# Altium PCB BB.PcbDoc (part 3 of 9) (continued)
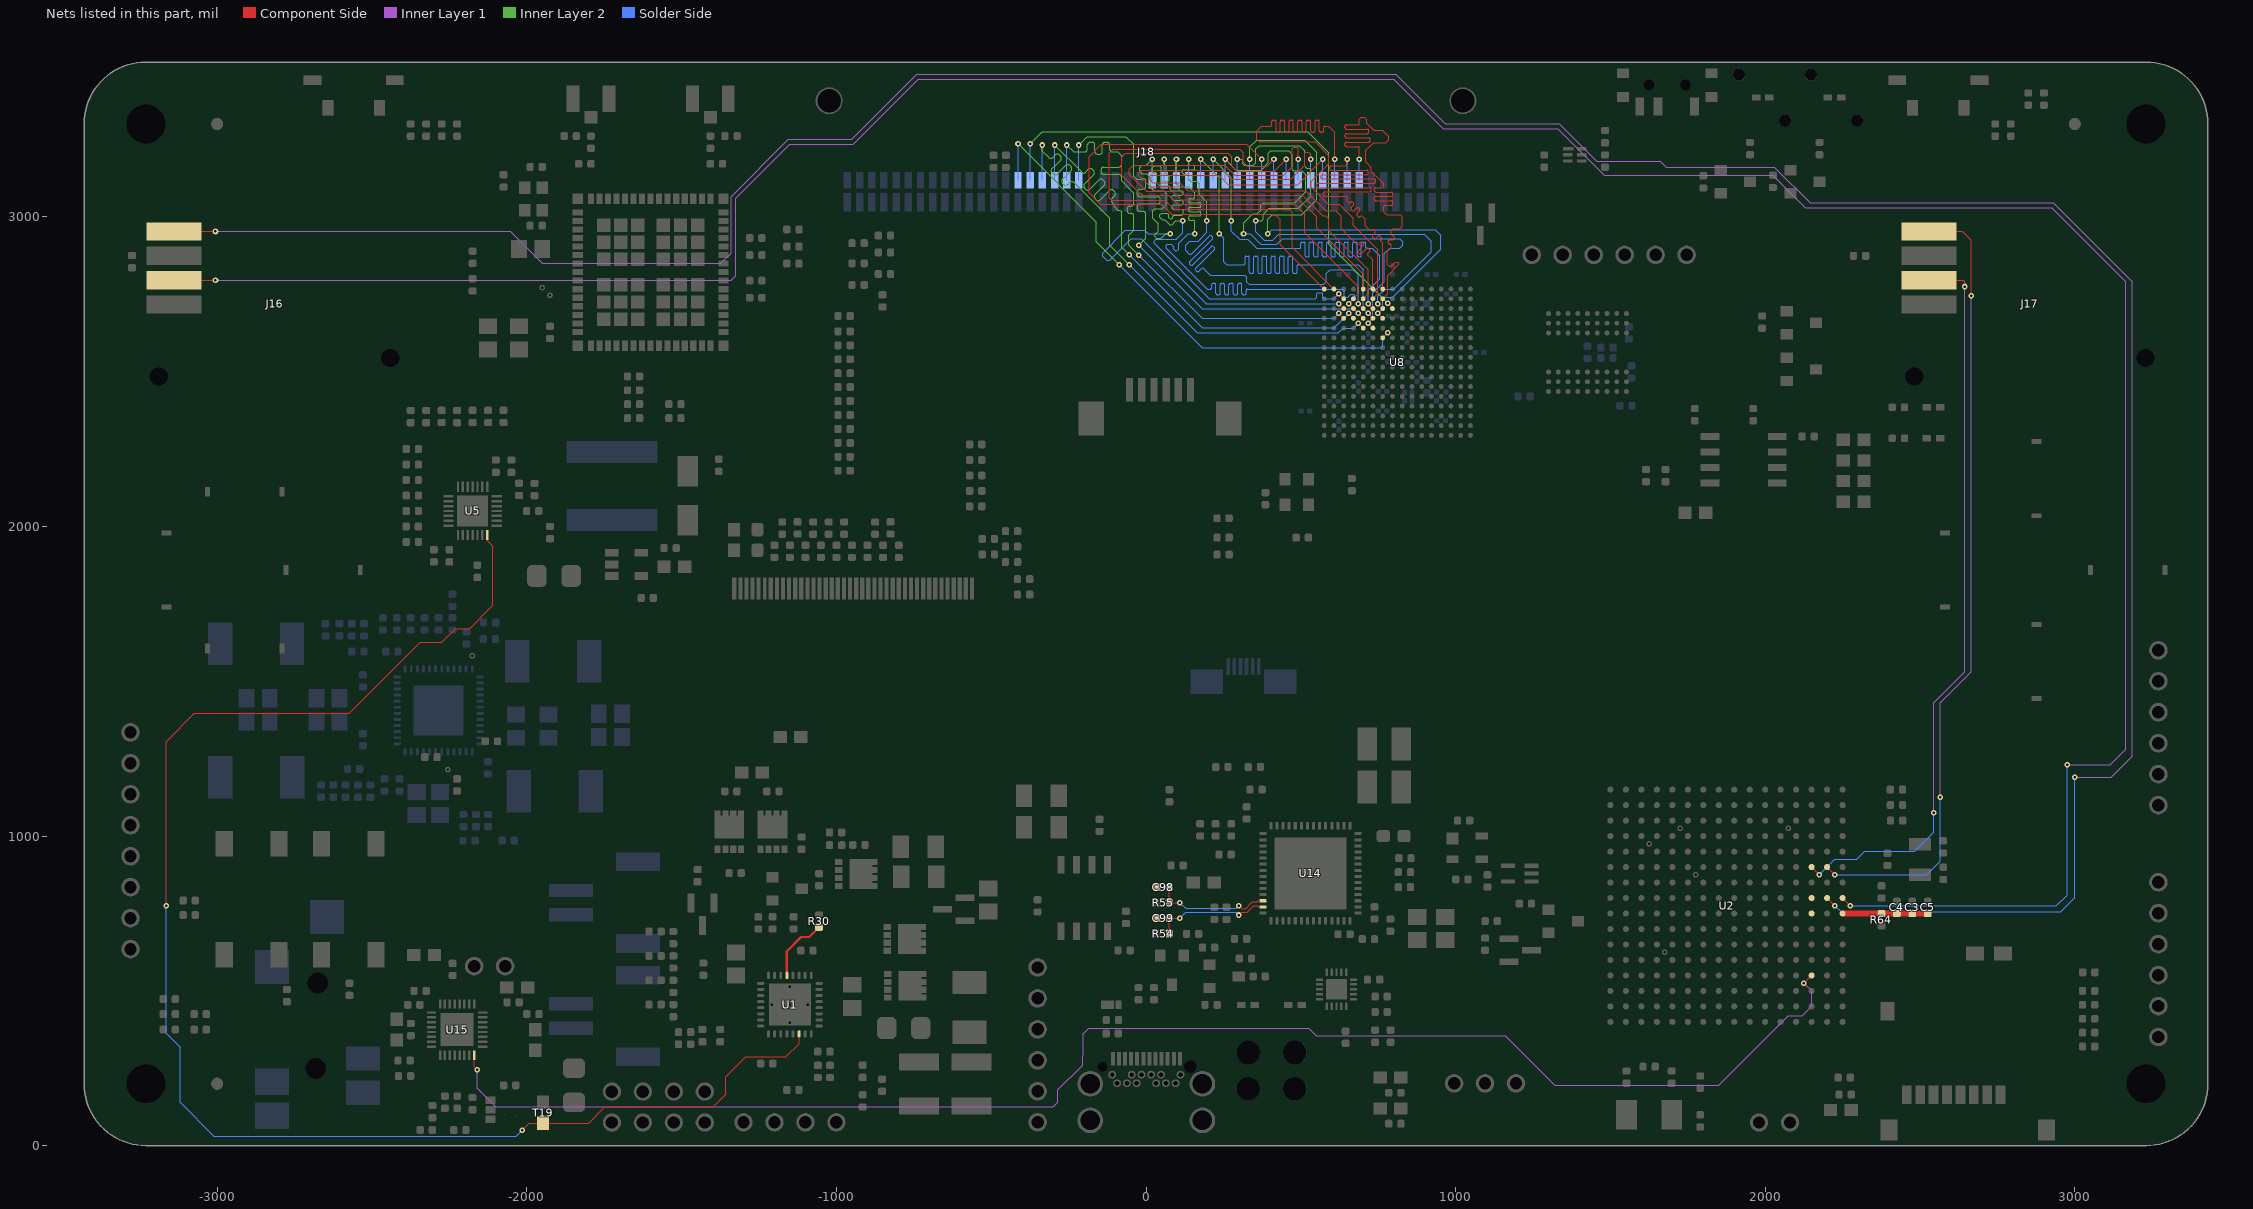
[diagram p7: the nets of this part, all layers, seen from the top]
## Part data (continued)
R140: "RES SMD 6.49K OHM 1% 1/16W 0402", Case=0402, Manufacturer="Samsung Electro-Mechanics America, Inc.", Manufacturer Part Number=RC1005F6491CS, Operating Temperature="-55°C ~ 155°C", Package / Case="0402 (1005 Metric)", Power (Watts)=1/16W, Resistance (Ohms)=6.49k, Supplier Part Number 1=1276-4096-1-ND, Temperature Coefficient=±100ppm/°C, Tolerance=±1%, Category=Resistors, ComponentLink1Description=http://media.digikey.com/pdf/Data%20Sheets/Samsung%20PDFs/RC_Series_ds.pdf, ComponentLink1URL=http://media.digikey.com/pdf/Data%20Sheets/Samsung%20PDFs/RC_Series_ds.pdf, Composition="Thick Film", Features=-, Height="0.016\" (0.40mm)", Number of Terminations=2, Packaging="Cut Tape (CT)", Pricing 1="1=0.1, 10=0.013, 25=0.0096, 50=0.0074, 100=0.0054, 250=0.00412, 500=0.00328, 1000=0.00242, 2500=0.0021 (USD)", Resistance In Ohms=6.49k, RoHS="RoHS Compliant", Size / Dimension="0.039\" L x 0.020\" W (1.00mm x 0.50mm)", Stock 1=45311, Supplier 1=Digi-Key, Supplier Device Package="0402 (1005 Metric)"
R165: "RES SMD 118K OHM 1% 1/16W 0402", Case=0402, Manufacturer="Stackpole Electronics Inc", Manufacturer Part Number=RMCF0402FT118K, Operating Temperature="-55°C ~ 155°C", Package / Case="0402 (1005 Metric)", Power (Watts)=1/16W, Resistance (Ohms)=118k, Resistance In Ohms=118K, Supplier Part Number 1=RMCF0402FT118KCT-ND, Temperature Coefficient=±100ppm/°C, Tolerance=±1%, Category=Resistors, ComponentLink1Description=http://www.seielect.com/Catalog/SEI-RMCF_RMCP.pdf, ComponentLink1URL=http://www.seielect.com/Catalog/SEI-RMCF_RMCP.pdf, Composition="Thick Film", Features="Automotive AEC-Q200", Height="0.016\" (0.40mm)", Number of Terminations=2, Packaging="Cut Tape (CT)", Pricing 1="1=0.1, 10=0.025, 50=0.0138, 100=0.0105, 250=0.0078, 500=0.00576, 1000=0.00384, 2500=0.00324, 5000=0.0027 (USD)", RoHS="RoHS Compliant", Size / Dimension="0.039\" L x 0.020\" W (1.00mm x 0.50mm)", Stock 1=43108, Supplier 1=Digi-Key, Supplier Device Package=0402
R166 R184 R188 R192: "RES 22.0K OHM 1/10W 1% 0402 SMD", Case=0402, Manufacturer="Vishay Dale", Manufacturer Part Number=CRCW040222K0FKED, Package / Case="0402 (1005 Metric)", Power (Watts)=1/10W, Resistance (Ohms)=22k, Resistance In Ohms=22.0K, Supplier Part Number 1=541-22.0KLCT-ND, Temperature Coefficient=±100ppm/°C, Tolerance=±1%, Category=Resistors, ComponentLink1Description=http://www.vishay.com/doc?20035, ComponentLink1URL=http://www.vishay.com/doc?20035, Composition="Thick Film", Features=-, Height="0.016\" (0.40mm)", Number of Terminations=2, Packaging="Cut Tape (CT)", Pricing="10=0.083, 50=0.0444, 200=0.0255, 1000=0.0174 (USD)", RoHS="RoHS Compliant", Size / Dimension="0.039\" L x 0.020\" W (1.00mm x 0.50mm)", Stock 1=15892, Supplier 1=Digi-Key
R171: "RES 69.8K OHM 1/16W 1% 0402 SMD", Case=0402, Manufacturer=Yageo, Manufacturer Part Number=RC0402FR-0769K8L, Operating Temperature="-55°C ~ 155°C", Package / Case="0402 (1005 Metric)", Power (Watts)=1/16W, Resistance In Ohms=69.8K, Supplier Part Number 1=YAG3216CT-ND, Temperature Coefficient=±100ppm/°C, Tolerance=±1%, Category=Resistors, ComponentLink1Description=http://www.yageo.com/documents/recent/PYu-RC_Group_51_RoHS_L_7.pdf, ComponentLink1URL=http://www.yageo.com/documents/recent/PYu-RC_Group_51_RoHS_L_7.pdf, Composition="Thick Film", Failure Rate=-, Features="Moisture Resistant", Height - Seated (Max)="0.016\" (0.40mm)", Packaging="Cut Tape (CT)", Part Status=Active, Pricing 1="1=0.1, 10=0.014, 100=0.0055, 1000=0.00247, 2500=0.00214, 5000=0.00177 (USD)", RoHS="RoHS Compliant", Size / Dimension="0.039\" L x 0.020\" W (1.00mm x 0.50mm)", Stock 1=160383, Supplier 1=Digi-Key, Supplier Device Package=0402
R186 R190: "RES SMD 10.2K OHM 1% 1/16W 0402", Case=0402, Manufacturer="Stackpole Electronics Inc.", Manufacturer Part Number=RMCF0402FT10K2, Operating Temperature="-55°C ~ 155°C", Package / Case="0402 (1005 Metric)", Power (Watts)=1/16W, Resistance (Ohms)=10.2k, Supplier Part Number 1=RMCF0402FT10K2CT-ND, Temperature Coefficient=±100ppm/°C, Tolerance=±1%, Category=Resistors, ComponentLink1Description=http://www.seielect.com/Catalog/SEI-RMCF_RMCP.pdf, ComponentLink1URL=http://www.seielect.com/Catalog/SEI-RMCF_RMCP.pdf, Composition="Thick Film", Features="Automotive AEC-Q200", Height="0.016\" (0.40mm)", Number of Terminations=2, Packaging="Cut Tape (CT)", Pricing 1="1=0.1, 10=0.019, 50=0.0106, 100=0.0078, 250=0.00596, 500=0.00476, 1000=0.0035, 2500=0.00304, 5000=0.00251 (USD)", Resistance In Ohms=10.2k, RoHS="RoHS Compliant", Size / Dimension="0.039\" L x 0.020\" W (1.00mm x 0.50mm)", Stock 1=69477, Supplier 1=Digi-Key, Supplier Device Package=0402
R187 R191: "RES 36.0K OHM 1/10W 1% 0402 SMD", Case=0402, Manufacturer="Panasonic - ECG", Manufacturer Part Number=ERJ-2RKF3602X, Package / Case="0402 (1005 Metric)", Power (Watts)=1/16W, Resistance (Ohms)=36K, Supplier Part Number 1=P36.0KLCT-ND, Temperature Coefficient=±100ppm/°C, Tolerance=±1%, Category=Resistors, ComponentLink1Description=http://industrial.panasonic.com/www-cgi/jvcr13pz.cgi?E+PZ+3+AOA0002+ERJ2RKF3602X+7+WW, ComponentLink1URL=http://industrial.panasonic.com/www-cgi/jvcr13pz.cgi?E+PZ+3+AOA0002+ERJ2RKF3602X+7+WW, Composition="Thick Film", Features=-, Height="0.016\" (0.40mm)", Number of Terminations=2, Packaging="Cut Tape (CT)", Pricing="1=0.06, 50=0.0242, 100=0.0184, 250=0.01364, 500=0.01008, 1000=0.00672, 5000=0.00473 (USD)", Resistance In Ohms=36K, RoHS="RoHS Compliant", Size / Dimension="0.039\" L x 0.020\" W (1.00mm x 0.50mm)", Stock 1=39656, Supplier 1=Digi-Key
R194: "RES SMD 442K OHM 1% 1/16W 0402", Case=0402, Manufacturer=Yageo, Manufacturer Part Number=RC0402FR-07442KL, Operating Temperature="-55°C ~ 155°C", Package / Case="0402 (1005 Metric)", Power (Watts)=1/16W, Resistance In Ohms=442k, Supplier Part Number 1=311-442KLRCT-ND, Temperature Coefficient=±100ppm/°C, Tolerance=±1%, Category=Resistors, ComponentLink1Description=http://www.yageo.com/documents/recent/PYu-RC_Group_51_RoHS_L_7.pdf, ComponentLink1URL=http://www.yageo.com/documents/recent/PYu-RC_Group_51_RoHS_L_7.pdf, Composition="Thick Film", Failure Rate=-, Features="Moisture Resistant", Height - Seated (Max)="0.016\" (0.40mm)", Packaging="Cut Tape (CT)", Part Status=Active, Pricing 1="1=0.1, 10=0.014, 100=0.0056, 1000=0.00253, 2500=0.0022, 5000=0.00181 (USD)", RoHS="RoHS Compliant", Size / Dimension="0.039\" L x 0.020\" W (1.00mm x 0.50mm)", Stock 1=113995, Supplier 1=Digi-Key, Supplier Device Package=0402
S1 S5: "SWITCH TACTILE SPST-NO 0.05A 24V", Manufacturer="TE Connectivity Alcoswitch", Manufacturer Part Number=FSM4JSMLXTR, Max Operating Temperature=85°C, Min Operating Temperature=-35°C, Operating Force=70gf, Package Quantity=4800, Supplier Part Number 1=450-2057-1-ND, Actuator Material=Nylon,Polyamide, Illumination Type=Non-Illuminated, Mechanical Life=1000000Cycles, Packaging="Tape and Reel", Pricing 1="1=0.68, 10=0.655, 25=0.6428, 50=0.6184, 100=0.5335, 500=0.4607, 1000=0.3637, 1200=0.3066 (USD)", Stock 1=4653, Supplier 1=Digikey, Switch Travel=0.25mm, Termination="Gull Wing", Throw Configuration=SPST
S2: library part S_3352T-1-103LF, "POT 10K OHM THUMBWHEEL CERM ST", Manufacturer="Bourns Inc.", Manufacturer Part Number=3352T-1-103LF, Power (Watts)="0.5W, 1/2W", Resistance (Ohms)=10k, Supplier Part Number 1=3352T-103LF-ND, Tolerance=±20%, Adjustment Type="Top Adjustment", Category="Potentiometers, Variable Resistors", ComponentLink1Description=http://www.bourns.com/data/global/PDFs/3352.pdf, ComponentLink1URL=http://www.bourns.com/data/global/PDFs/3352.pdf, Mounting Type="Through Hole", Number of Turns=Single, Packaging=Bulk, Pricing 1="1=1.53, 10=1.35, 25=1.2152, 50=1.17, 100=1.125, 250=1.05752, 500=0.9, 1000=0.8325, 2500=0.72 (USD)", RoHS="RoHS Compliant", Size / Dimension="Round - 0.350\" Dia x 0.150\" H (8.89mm x 3.81mm)", Stock 1=2355, Supplier 1=Digi-Key, Termination="PC Pins"
S3 S4 S6 S16: "SWITCH TACTILE SPST-NO 0.05A 12V", Case/Package=SMD/SMT, Colour=Black, Contact Resistance=100mR, Current Rating=50mA, Manufacturer=E-Switch, Manufacturer Part Number=TL3330AF130QG, Max Operating Temperature=70°C, Max Voltage Rating (DC)=12V, Min Operating Temperature=-30°C, Operating Force=130gf, Package Quantity=1, Supplier Part Number 1=EG4388CT-ND, Actuator Length=1mm, Actuator Material=Nylon,Polyamide, ComponentLink1Description=https://datasheet.ciiva.com/2900/p010950-2900785.pdf, ComponentLink1URL=https://datasheet.ciiva.com/2900/p010950-2900785.pdf, ComponentLink2Description=https://datasheet.ciiva.com/2900/p010950-2900786.pdf, ComponentLink2URL=https://datasheet.ciiva.com/2900/p010950-2900786.pdf, ComponentLink3Description=https://datasheet.ciiva.com/2900/p010950-2900787.pdf, ComponentLink3URL=https://datasheet.ciiva.com/2900/p010950-2900787.pdf, ComponentLink4Description=https://datasheet.ciiva.com/23713/tl3330-23713381.pdf, ComponentLink4URL=https://datasheet.ciiva.com/23713/tl3330-23713381.pdf, Contact Material=Silver, Contact Plating=Silver, Electrical Life=50000Cycles, Illumination Type=Non-Illuminated,Illuminated, Lead Free="Lead Free", Mechanical Life=50000Cycles, Mount="Surface Mount", Orientation="Right Angle", Packaging="Tape and Reel", Pricing 1="1=0.47, 10=0.448, 25=0.44, 50=0.4236, 100=0.3654, 250=0.3322, 500=0.3156, 1000=0.2492 (USD)", REACH SVHC="No SVHC", Stock 1=47904, Supplier 1=Digikey, Switch Travel=0.25mm, Termination="Gull Wing", Throw Configuration=SPST, Voltage Rating (DC)=12V
S15: library part S_MICRO_SLIDE_SWITCH_ON_OFF, "SWITCH SLIDE SPDT 300MA 6V", Current Rating="300mA (DC)", Manufacturer="C&K Components", Manufacturer Part Number=PCM12SMTR, Operating Force=-, Operating Temperature="-20°C ~ 85°C", Supplier Part Number 1=401-2016-1-ND, Voltage Rating - DC=6V, Actuator Length=1.50mm, Actuator Material="Polyamide (PA46), Nylon 4/6", Actuator Type=Standard, Category=Switches, Circuit=SPDT, ComponentLink1Description=http://www.ck-components.com/index.php?module=media&action=Display&cmpref=14389&lang=en&width=&height=&format=&alt=, ComponentLink1URL=http://www.ck-components.com/index.php?module=media&action=Display&cmpref=14389&lang=en&width=&height=&format=&alt=, Contact Finish=Silver, Contact Material="Copper Alloy", Contact Timing="Not Specified", Electrical Life=-, Features=-, Mechanical Life="10,000 Cycles", Mounting Type="Surface Mount, Right Angle", Packaging="Cut Tape (CT)", Pricing 1="1=0.82, 10=0.787, 25=0.7704, 50=0.6884, 100=0.6556, 250=0.6392, 500=0.54088, 1000=0.52448 (USD)", RoHS="RoHS Compliant", Stock 1=29326, Supplier 1=Digi-Key, Switch Function=On-On, Switch Travel=1.50mm, Termination Style="Gull Wing", Voltage Rating - AC=-
T1 T3 T6 T11 T13 T14 T15 T17 T18: "OSCILLOSCOPE TEST POINT"
T2 T4 T5 T7 T8 T9 T10 T12 T16 T19: library part T_0603_JUMPER_PAD, "SOLDER_JUMPER PAD", Case=0603
U1: "IC BATTERY MANAGER 32VQFN", Battery Pack Voltage=-, Manufacturer="Texas Instrument", Manufacturer Part Number=BQ40Z60RHBT, Operating Temperature="-40°C ~ 85°C (TA)", Package / Case="32-VFQFN Exposed Pad", Supplier Device Package="32-VQFN (5x5)", Supplier Part Number 1=296-38618-1-ND, Voltage - Supply (Max)=26V, Battery Chemistry=Lithium-Ion/Polymer, Category="Integrated Circuits (ICs)", Charge Current - Max=-, ComponentLink1Description=http://www.ti.com/lit/ds/symlink/bq40z60.pdf, ComponentLink1URL=http://www.ti.com/lit/ds/symlink/bq40z60.pdf, Current - Charging=-, Fault Protection="Over Current, Short Circuit", Interface=SMBus, Number of Cells="2 ~ 4", Packaging="Cut Tape (CT)", Part Status=Active, Pricing 1="1=7.63, 10=6.918, 100=5.7023 (USD)", Programmable Features=-, RoHS="RoHS Compliant", Stock 1=2505, Supplier 1=Digi-Key
U2: Manufacturer 1="Octavo Systems", Manufacturer Part Number 1=OSD3358-512M-BSM, Supplier Part Number 1=1676-1002-ND, Pricing 1="1=43.73, 10=41.08, 100=36.84 (USD)", Stock 1=592, Supplier 1=Digi-Key
U3: "Processor Supervisor 2.63V 2.5V/3V/3.3V/5V 4-Pin(3+Tab) SOT-143 T/R", Case/Package=TO-253-4, Manufacturer 1=Diodes, Manufacturer Part Number 1=APX811-26UG-7, Max Operating Temperature=85°C, Max Power Dissipation=320mW, Max Reset Threshold Voltage=2.67V, Max Supply Voltage=5.5V, Min Operating Temperature=-40°C, Min Reset Threshold Voltage=2.59V, Min Supply Voltage=1.1V, Number of Voltages Monitored=1, Supplier Part Number 1=APX811-26UG-7DKR-ND, Threshold Voltage=2.63V, ComponentLink1Description=https://datasheet.ciiva.com/17224/apx811-812-17224730.pdf, ComponentLink1URL=https://datasheet.ciiva.com/17224/apx811-812-17224730.pdf, ComponentLink2Description=https://datasheet.ciiva.com/26949/getdatasheetpartid-661887-26949338.pdf, ComponentLink2URL=https://datasheet.ciiva.com/26949/getdatasheetpartid-661887-26949338.pdf, Description 1="Processor Supervisor 2.63V 2.5V/3V/3.3V/5V 4-Pin(3+Tab) SOT-143 T/R", Mount="Surface Mount", Number of Elements=1, Number of Pins=4, Package Quantity=1, Packaging="Tape and Reel", Power Dissipation=320mW, Pricing 1="1=0.41, 10=0.348, 100=0.2596, 500=0.20394, 1000=0.15759 (USD)", Radiation Hardening=No, REACH SVHC="No SVHC", Reset="Active Low", Reset Timeout=140ms, Stock 1=3187, Supplier 1=Digi-Key, Type="Simple Reset/Power-On Reset", Watchdog Timer=No
U4: "IC BUFF/DVR NON-INVERT SC705", Case/Package=SC, High Level Output Current=32mA, Manufacturer 1="Texas Instruments", Manufacturer Part Number 1=SN74LVC1G07DCKR, Max Operating Temperature=125°C, Max Supply Voltage=5.5V, Min Operating Temperature=-40°C, Min Supply Voltage=1.65V, Nominal Supply Current=40mA, Package Quantity=3000, Quiescent Current=10uA, Supplier Part Number 1=296-8486-1-ND, ComponentLink1Description=https://datasheet.ciiva.com/4788/sn74lvc1g07-224894-4788496.pdf, ComponentLink1URL=https://datasheet.ciiva.com/4788/sn74lvc1g07-224894-4788496.pdf, ComponentLink2Description=https://datasheet.ciiva.com/1833/sn74lvc1g07-1833618.pdf, ComponentLink2URL=https://datasheet.ciiva.com/1833/sn74lvc1g07-1833618.pdf, ComponentLink3Description=https://datasheet.ciiva.com/1833/sn74lvc1g07-1833619.pdf, ComponentLink3URL=https://datasheet.ciiva.com/1833/sn74lvc1g07-1833619.pdf, ComponentLink4Description=https://datasheet.ciiva.com/1833/sn74lvc1g07-1833620.pdf, ComponentLink4URL=https://datasheet.ciiva.com/1833/sn74lvc1g07-1833620.pdf, ComponentLink5Description=https://datasheet.ciiva.com/14300/sn74lvc1g07-14300981.pdf, ComponentLink5URL=https://datasheet.ciiva.com/14300/sn74lvc1g07-14300981.pdf, ComponentLink6Description=https://datasheet.ciiva.com/15094/getdatasheetpartid-189690-15094949.pdf, ComponentLink6URL=https://datasheet.ciiva.com/15094/getdatasheetpartid-189690-15094949.pdf, ComponentLink7Description=https://datasheet.ciiva.com/14300/sn74lvc1g07-14300984.pdf, ComponentLink7URL=https://datasheet.ciiva.com/14300/sn74lvc1g07-14300984.pdf, ComponentLink8Description=https://datasheet.ciiva.com/46442/1856316-46442060.pdf, ComponentLink8URL=https://datasheet.ciiva.com/46442/1856316-46442060.pdf, ComponentLink9Description=https://datasheet.ciiva.com/28662/1887570-28662702.pdf, ComponentLink9URL=https://datasheet.ciiva.com/28662/1887570-28662702.pdf, ComponentLink10Description=https://datasheet.ciiva.com/46384/1887570-46384078.pdf, ComponentLink10URL=https://datasheet.ciiva.com/46384/1887570-46384078.pdf, ComponentLink11Description=https://datasheet.ciiva.com/48704/001075278-da-01-en-ic-buff-dvr-sn74lvc1g07dckr-sc-70-5-tid-48704263.pdf, ComponentLink11URL=https://datasheet.ciiva.com/48704/001075278-da-01-en-ic-buff-dvr-sn74lvc1g07dckr-sc-70-5-tid-48704263.pdf, Contact Plating=Gold, Description 1="IC BUFF/DVR NON-INVERT SC705", Lead Free="Lead Free", Logic Function=Buffer,Non-Inverting, Low Level Output Current=32mA, Mount="Surface Mount", Number of Bits=1, Number of Bits per Element=1, Number of Channels=1, Number of Circuits=1, Number of Elements=1, Number of Gates=1, Number of Input Lines=1, Number of Inputs=1, Number of Output Lines=1, Number of Outputs=1, Number of Pins=5, Packaging="Tape and Reel", Polarity=Non-Inverting, Pricing 1="1=0.43, 10=0.32, 100=0.1996, 500=0.13658, 1000=0.10506 (USD)", Propagation Delay=8.3ns, Radiation Hardening=No, REACH SVHC="No SVHC", Stock 1=157346, Supplier 1=Digi-Key, Termination=SMD/SMT, Turn-On Delay Time=8.3ns
U5: "IC GPIO EXPANDER I2C 16CH 28-QFN", Case/Package=QFN, Frequency=400kHz, Manufacturer 1=Semtech, Manufacturer Part Number 1=SX1503I091TRT, Max Operating Temperature=85°C, Min Operating Temperature=-40°C, Operating Supply Voltage=5.5V, Output Current=24mA, Supplier Part Number 1=SX1503I091DKR-ND, ComponentLink1Description=https://datasheet.ciiva.com/1780/sx150x-1780208.pdf, ComponentLink1URL=https://datasheet.ciiva.com/1780/sx150x-1780208.pdf, ComponentLink2Description=https://datasheet.ciiva.com/1780/sx150x-1780209.pdf, ComponentLink2URL=https://datasheet.ciiva.com/1780/sx150x-1780209.pdf, ComponentLink3Description=https://datasheet.ciiva.com/1780/sx150x-1780210.pdf, ComponentLink3URL=https://datasheet.ciiva.com/1780/sx150x-1780210.pdf, ComponentLink4Description=https://datasheet.ciiva.com/16620/sx150x-16620398.pdf, ComponentLink4URL=https://datasheet.ciiva.com/16620/sx150x-16620398.pdf, Description 1="IC GPIO EXPANDER I2C 16CH 28-QFN", Interface=I2C, Lead Free="Lead Free", Mount="Surface Mount", Number of I/Os=16, Number of Pins=20, Packaging="Tape and Reel", Pricing 1="1=1.76, 10=1.586, 25=1.4164, 100=1.2746, 250=1.133, 500=0.99138, 1000=0.82143 (USD)", Short Desc="GPIO Expander", Stock 1=17565, Supplier 1=Digi-Key
U6: "WiLink Wi-Fi 2.4/5GHz MIMO BT/BLE", Case/Package=SMD/SMT, Current - Receiving=85mA, Current - Transmitting=510mA, Frequency=5GHz, Manufacturer 1="Texas Instruments", Manufacturer Part Number 1=WL1837MODGIMOCT, Max Operating Temperature=85°C, Min Operating Temperature=-40°C, Supplier Part Number 1=296-43667-6-ND, ComponentLink1Description=http://www.ti.com/lit/ds/symlink/wl1837mod.pdf, ComponentLink1URL=http://www.ti.com/lit/ds/symlink/wl1837mod.pdf, Data Rate=54Mbps, Description 1="WiLink Wi-Fi 2.4/5GHz MIMO BT/BLE", Interface=SDIO,UART, Lead Free="Contains Lead", Mount="Surface Mount", Packaging="Tape and Reel", Pricing 1="1=36.1, 10=33.321, 25=30.544, 100=28.23 (USD)", Sensitivity=-95dBm, Stock 1=813, Supplier 1=Digi-Key
U7: "32.768kHz CMOS XO (Standard) Oscillator Surface Mount 1.8V 1.5mA Enable/Disable", Case/Package=SMD/SMT, Frequency=32.768kHz, Frequency Stability=25ppm, Manufacturer 1=Abracon, Manufacturer Part Number 1=ASDK2-32.768KHZ-LR-T3, Max Operating Temperature=85°C, Max Supply Current=1.5mA, Min Operating Temperature=-40°C, Supplier Part Number 1=535-13597-6-ND, ComponentLink1Description=http://www.abracon.com/Oscillators/ASDK.pdf, ComponentLink1URL=http://www.abracon.com/Oscillators/ASDK.pdf, Description 1="32.768kHz CMOS XO (Standard) Oscillator Surface Mount 1.8V 1.5mA Enable/Disable", Height=0.037inch, Length=0.098inch, Mount="Surface Mount", Packaging="Cut Tape", Pricing 1="1=1.39, 10=1.324, 50=1.2936, 100=1.1088, 500=1.078, 1000=0.9086 (USD)", Stock 1=8834, Supplier 1=Digi-Key, Width=0.079inch
U8: library part U_ICE40HX8K-CT256, "iCE40 HX8K Series FPGA Family, 7680 Logic Cells, 1.2 V Core, 128 K Embedded RAM Bits, 256-ball caBGA, Pb-Free, Tray", Case/Package=BGA, Manufacturer="Lattice Semiconductor", Max Frequency=533MHz, Max Operating Temperature=85°C, Max Supply Voltage=1.26V, Min Operating Temperature=-40°C, Min Supply Voltage=1.14V, Operating Supply Voltage=1.2V, Package Quantity=119, Supplier Part Number 1=220-1575-ND, Code_JEDEC=MO-275, ComponentLink1Description="Manufacturer URL", ComponentLink1URL=http://www.latticesemi.com/en, ComponentLink2Description=Datasheet, ComponentLink2URL=http://www.latticesemi.com/~/media/Documents/DataSheets/iCE/iCE40LPHXFamilyDataSheet.pdf, ComponentLink3Description="Package Specification", ComponentLink3URL=http://www.latticesemi.com/lit/docs/package/pkg.pdf, ComponentLink4Description=http://www.mouser.com/ds/2/225/iCE40FamilyHandbook-311139.pdf, ComponentLink4URL=http://www.mouser.com/ds/2/225/iCE40FamilyHandbook-311139.pdf, DatasheetVersion="Rev. 02.9", Density=128Kb, Description 1="IC FPGA HX 7680LUTS 1.2V 256BGA", Embedded RAM Bits=128K, Height=17mm, Lead Free="Lead Free", Length=14mm, Logic Cells=7680, Manufacturer 1="Lattice Semiconductor", Manufacturer Part Number 1=ICE40HX8K-CT256, Memory Size=128Kb, Mounting Technology="Surface Mount", Number of Gates=7680, Number of I/Os=206, Number of Logic Blocks (LABs)=960, Number of Logic Elements/Cells=7680, Number of Pins=256, Number of Registers=7680, PackageDescription="256-Ball Chip Array Ball Grid Array, Body 14 x 14 mm, Pitch 0.8 mm", PackageReference=caBGA-256, PackageVersion="Rev. 03.9, 02/2013", Packaging=Tray, Packing=Tray, PartNumber=ICE40HX8K-CT256, Phase-Locked Loops=2, Pricing 1="1=11.41, 25=9.898, 100=9.4536 (USD)", RAM Size=131072b, RoHS=TRUE, Stock 1=549, Supplier 1=Digi-Key, Supply Voltage=1.2V, Weight=0.098203oz, Width=14mm
U9: "IC REG BUCK ADJ 4A/2A QD 48VQFN", Current - Output="4A, 2A", Frequency - Switching="275kHz ~ 2.2MHz", Manufacturer="Texas Instruments", Manufacturer Part Number=TPS65400RGZR, Operating Temperature="-40°C ~ 125°C (TJ)", Package / Case="48-VFQFN Exposed Pad", Supplier Device Package="48-VQFN (7x7)", Supplier Part Number 1=296-40902-1-ND, Voltage - Input (Max)=18V, Voltage - Input (Min)=4.5V, Voltage - Output (Max)=16.2V, Voltage - Output (Min/Fixed)=0.6V, Category="Integrated Circuits (ICs)", ComponentLink1Description=http://www.ti.com/lit/ds/symlink/tps65400.pdf, ComponentLink1URL=http://www.ti.com/lit/ds/symlink/tps65400.pdf, Function=Step-Down, Mounting Type="Surface Mount", Number of Outputs=4, Output Configuration=Positive, Output Type=Adjustable, Packaging="Cut Tape (CT)", Part Status=Active, Pricing 1="1=5.16, 10=4.633, 100=3.7961, 500=3.23152, 1000=2.72538 (USD)", RoHS="RoHS Compliant", Stock 1=2343, Supplier 1=Digi-Key, Synchronous Rectifier=Yes, Topology=Buck
U10: "IC REG LDO 1.8V/1.2V 0.2A 6WSON", Dropout Voltage=175mV, Manufacturer 1="Texas Instruments", Manufacturer_Part_Number=TLV7111812DSER, Max Input Voltage=5.5V, Max Operating Temperature=125°C, Min Current Limit=220mA, Min Input Voltage=2V, Min Operating Temperature=-40°C, Output Current=200mA, Output Voltage=1.2V, Package Quantity=3000, Power Supply Rejection Ratio (PSRR)=50dB, Quiescent Current=30uA, Supplier Part Number 1=296-35050-6-ND, Built_By=EMA_UL_Team, ComponentLink1Description=http://www.ti.com/lit/ds/symlink/tlv711.pdf, ComponentLink1URL=http://www.ti.com/lit/ds/symlink/tlv711.pdf, Description 1="IC REG LDO 1.8V/1.2V 0.2A 6WSON", Lead Free="Lead Free", Manufacturer Part Number 1=TLV7111812DSER, Number of Outputs=2, Number of Pins=6, Number of Regulators=2, Output Type=Fixed, Packaging="Tape and Reel", Pricing 1="1=0.58, 10=0.51, 100=0.3909, 500=0.309, 1000=0.2472 (USD)", RefDes=RefDes, Stock 1=3457, Supplier 1=Digi-Key, Type=DEV, Vendor="Texas Instruments"
U11: "3V, 8Mbit, Serial Flash Memory with Dual and Qual SPI, SOIC-8", Manufacturer="Winbond Electronics", Manufacturer Part Number="W25Q80DVSNIG TR", Operating Temperature="-40°C ~ 85°C (TA)", Package / Case="8-SOIC (0.154\", 3.90mm Width)", Supplier Device Package=8-SOIC, Supplier Part Number 1="W25Q80DVSNIG CT-ND", Voltage - Supply="2.7 V ~ 3.6 V", Access Time=-, Category="Integrated Circuits (ICs)", ComponentLink1Description=https://www.winbond.com/resource-files/w25q80dv_revg_07212015.pdf, ComponentLink1URL=https://www.winbond.com/resource-files/w25q80dv_revg_07212015.pdf, Memory Format=FLASH, Memory Interface=SPI, Memory Size="8Mb (1M x 8)", Memory Type=Non-Volatile, Mounting Type="Surface Mount", Packaging="Cut Tape (CT)", Part Status=Active, Pricing 1="1=0.53 (USD)", RoHS="RoHS Compliant", Stock 1=48844, Supplier 1=Digi-Key, Technology="FLASH - NOR", Write Cycle Time - Word, Page=3ms
U12: library part U_MT48LC16M16A2F4-6A, "256Mb PC133 SDR SDRAM, 16Mb x 16, 6ns, 3.3V, 0 to 70 degC, 54-Ball VFBGA, Pb-Free", Manufacturer 1="Alliance Memory", Supplier Part Number 1=1450-1350-6-ND, ComponentLink1Description="Manufacturer URL", ComponentLink1URL=http://www.micron.com/, ComponentLink2Description=Datasheet, ComponentLink2URL=http://www.micron.com/~/media/Documents/Products/Data%20Sheet/DRAM/256Mb_sdr.pdf, ComponentLink3Description="Package Specification", ComponentLink3URL=http://www.micron.com/~/media/Documents/Products/Data%20Sheet/DRAM/128Mbx16x32Mobile.pdf, Description 1="IC SDRAM 256MBIT 6NS 54VFBGA", Manufacturer Part Number 1=MT48LC16M16A2F4-6A:GTR, Pricing 1="1=3.29, 10=2.955, 25=2.908, 50=2.9002, 100=2.5915, 250=2.50728, 500=2.49792, 1000=2.3264 (USD)", Stock 1=3138, Supplier 1=Digi-Key
U13: "IC DRVR WT/OLED BCKLT SOT23-5", Constant Current=Yes, Constant Voltage=-, Frequency="1.2MHz ~ 2MHz", Manufacturer="Texas Instruments", Manufacturer Part Number=LM3410XMFE/NOPB, Operating Temperature="-40°C ~ 125°C", Package / Case="SC-74A, SOT-753", Supplier Device Package=SOT-23-5, Supplier Part Number 1=LM3410XMFE/NOPBCT-ND, Voltage - Output="3 V ~ 24 V", Voltage - Supply="2.7 V ~ 5.5 V", Category="Integrated Circuits (ICs)", ComponentLink1Description=http://www.ti.com/lit/ds/symlink/lm3410.pdf, ComponentLink1URL=http://www.ti.com/lit/ds/symlink/lm3410.pdf, Internal Driver=Yes, Mounting Type="Surface Mount", Number of Outputs=1, Packaging="Cut Tape (CT)", Pricing="1=2.98, 10=2.67, 25=2.4012, 100=2.1839 (USD)", RoHS="RoHS Compliant", Stock 1=405, Supplier 1=Digi-Key, Topology="PWM, SEPIC, Step-Up (Boost)", Type - Primary="Automotive, Backlight, Flash/Torch", Type - Secondary="High Brightness LED (HBLED), OLED, White LED"
U14: library part U_TPS65981ABQWRWERQ1, "USB, Type-C Controller PMIC 56-QFN (8x8)", Manufacturer="Texas Instruments (TI)", Manufacturer Part Number=TPS65981ABIRTQR, Supplier Part Number 1=TPS65981ABIRTQR-ND, Lead Free="Lead Free", Number of Pins=56, Pricing 1="2000=3.0577 (USD)", Stock 1=0, Supplier 1=Digikey
U15: "IC STEREO CODEC 32BIT 32QFN", Manufacturer 1="AKM Semiconductor", Manufacturer Part Number 1=AK4954AEN, Max Operating Temperature=85°C, Min Operating Temperature=-30°C, Supplier Part Number 1=974-1065-1-ND, ComponentLink1Description=http://www.akm.com/akm/en/file/datasheet/AK4954AEN.pdf, ComponentLink1URL=http://www.akm.com/akm/en/file/datasheet/AK4954AEN.pdf, Description 1="IC STEREO CODEC 32BIT 32QFN", Interface=Serial, Mount="Surface Mount", Packaging="Tape and Reel", Resolution=32b, Stock 1=0, Supplier 1=Digi-Key
U16: "MIC MEMS ANALOG OMNI -38DB", Manufacturer 1=STMicroelectronics, Manufacturer Part Number 1=MP23AB01DHTR, Supplier Part Number 1=497-17051-6-ND, ComponentLink1Description=http://www.farnell.com/datasheets/2310300.pdf, ComponentLink1URL=http://www.farnell.com/datasheets/2310300.pdf, Pricing 1="1=1.59, 10=1.257, 100=1.0017, 500=0.84854, 1000=0.7975 (USD)", Stock 1=5150, Supplier 1=Digi-Key
U17: "Flash Mem Serial-SPI 3.3V 4Mbit 4M x 1bit 8-Pin SOIC T/R", Case/Package=SOIC, Frequency=104MHz, Manufacturer 1="Adesto Technologies", Manufacturer Part Number 1=AT25SF041-SSHD-T, Max Operating Temperature=85°C, Max Supply Current=8mA, Max Supply Voltage=3.6V, Min Operating Temperature=-40°C, Min Supply Voltage=2.5V, Operating Supply Voltage=3.3V, Package Quantity=4000, Supplier Part Number 1=1265-1131-6-ND, Access Time=8ns, Contact Plating=Gold, Data Bus Width=8b, Density=4Mb, Description 1="Flash Mem Serial-SPI 3.3V 4Mbit 4M x 1bit 8-Pin SOIC T/R", Interface=Serial,SPI, Lead Free="Lead Free", Max Frequency=104MHz, Memory Size=4Mb, Memory Type=FLASH,NOR, Mount="Surface Mount", Number of Pins=8, Packaging="Tape and Reel", Page Size=256B, Pricing 1="1=0.36 (USD)", Stock 1=106462, Supplier 1=Digi-Key, Weight=0.019048oz
U18: "OSC MEMS 100.0000MHZ CMOS SMD", Manufacturer 1=Microchip, Manufacturer Part Number 1=DSC6102CI2A-100.0000, Supplier Part Number 1=DSC6102CI2A-100.0000-ND, Description 1="OSC MEMS 100.0000MHZ CMOS SMD", Pricing 1="1=0.92, 25=0.7624, 100=0.7339 (USD)", Stock 1=719, Supplier 1=Digi-Key
U30: "USB Type C Interface Protector: Short-to-VBUS Over Voltage and IEC 61000-4-2 ESD Protection, RUK0020B", Capacitance=1.5pF, Manufacturer="Texas Instruments (TI)", Manufacturer Part Number=TPD8S300RUKR, Supplier Part Number 1=296-45177-6-ND, Lead Free="Lead Free", Pricing 1="1=2.65, 10=2.377, 100=1.9109, 500=1.57, 1000=1.3008 (USD)", Stock 1=2830, Supplier 1=Digi-Key
Y1: library part Y_SMD_32KHZ, "CRYSTAL 32.7680KHZ 12.5PF SMD", Frequency=32.768kHz, Frequency Stability=-, Frequency Tolerance=±20ppm, Load Capacitance=12.5pF, Manufacturer="Epson Toyocom Corporation", Manufacturer Part Number="FC-135 32.7680KA-A3", Operating Mode=Fundamental, Operating Temperature="-40°C ~ 85°C", Package / Case=2-SMD, Supplier Part Number 1=SE2413CT-ND, Category="Crystals and Oscillators", ComponentLink1Description=http://www.eea.epson.com/portal/pls/portal/docs/1/1087994.PDF, ComponentLink1URL=http://www.eea.epson.com/portal/pls/portal/docs/1/1087994.PDF, Height="0.035\" (0.90mm)", Mounting Type="Surface Mount", Packaging="Cut Tape (CT)", Pricing="1=2.98, 10=2.55, 50=2.125, 100=1.9125 (USD)", RoHS="RoHS Compliant", Size / Dimension="0.126\" L x 0.059\" W (3.20mm x 1.50mm)", Stock 1=70403, Supplier 1=Digi-Key, Type="kHz Crystal (Tuning Fork)"

## Via types
v1: diameter 18, hole 8, Component Side to Solder Side, tented both sides, 1183 vias
v2: diameter 19.68, hole 8, Component Side to Solder Side, tented bottom, 32 vias
v3: diameter 19.68, hole 7.87, Component Side to Solder Side, tented bottom, 4 vias
v4: diameter 19.68, hole 8, Component Side to Solder Side, tented both sides, 4 vias
v5: diameter 18, hole 8, Component Side to Solder Side, tented bottom, 3 vias
